# Allegro board FMDEMOD-Long.brd (continued)
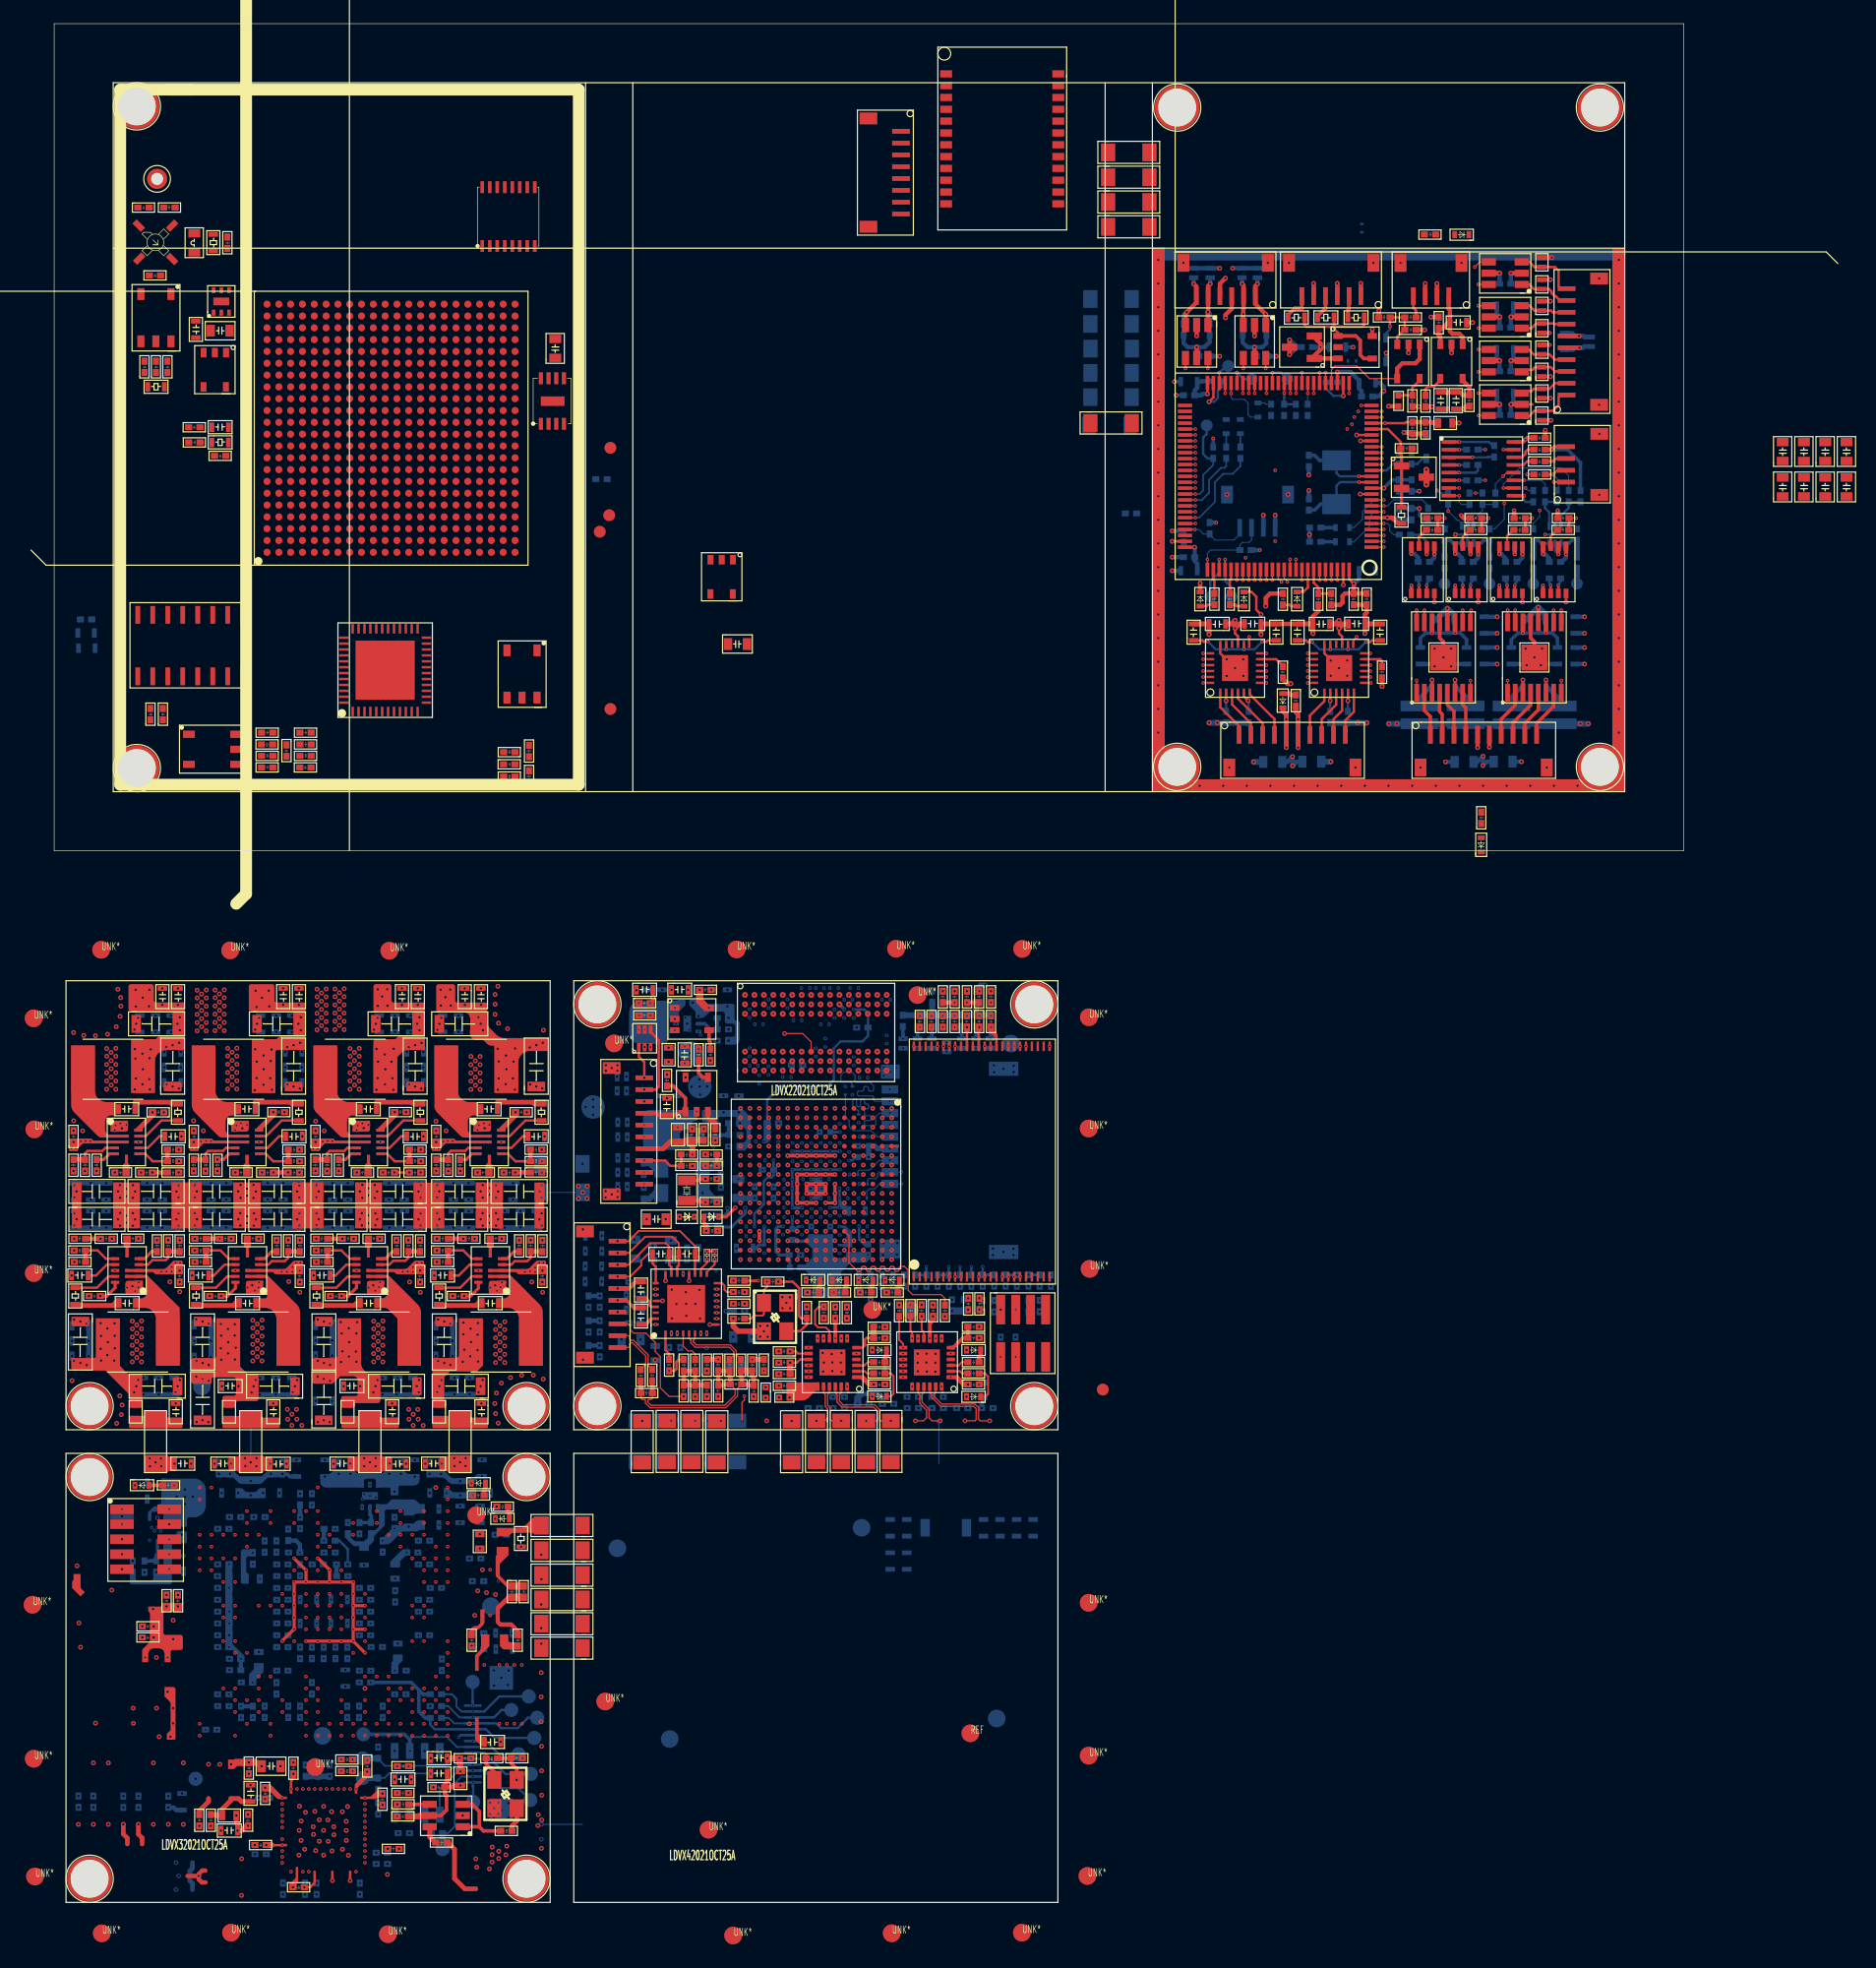
[diagram p0: board, top side]
## Routing (per net, layer and track width the routed paths; a pad name or vN(x,y) marks a point on that pad's centre or on a via; arc(x,y) is an arc through that point) (continued)
M2_I_ADC: length 17.8
  TOP w0.1: C574.1 v1(121.47,28.15) ; U19.17 v1(112.44,33.69)
  TOP w0.2: C574.1 120.89,27.67 120.87,27.65 R342.2
  SIGNAL-L7 w0.1: v1(121.47,28.15) 121.47,27.5 121.37,27.4 118.3,27.4 117.8,26.9 115.8,26.9 114.6,28.1 114.6,32.6 113.51,33.69 v1(112.44,33.69)
M2_PWM+: length 27.7
  TOP w0.1: U26.16 v1(115.38,20.36) ; U19.65 95.76,30.69 v1(96.64,30.69)
  SIGNAL-L7 w0.1: v1(115.38,20.36) 113.84,21.9 107.1,21.9 106.7,22.3 106.7,23.4 105.9,24.2 105.9,25 105.5,25.4 103.5,25.4 102.5,26.4 98.6,26.4 98,27 98,29.9 97.21,30.69 v1(96.64,30.69)
M2_PWM-: length 30.8
  TOP w0.1: U19.36 104.68,39.58 v1(104.68,38.71) ; U26.15 v1(116.03,20.36)
  SIGNAL-L3 w0.1: v1(104.68,38.71) 104.68,37.68 103.4,36.4 103.4,32.66 103.07,32.34 103.07,32.06 103.4,31.74 103.4,28.94 103.02,28.57 103.02,28.08 103.4,27.71 v1(103.4,26.2)
  SIGNAL-L7 w0.1: v1(116.03,20.36) 116.03,20.68 114.31,22.4 111.2,22.4 109.8,23.8 108.6,23.8 106.2,26.2 v1(103.4,26.2)
M3_DRV+: length 4.1
  TOP w0.28: J19.7 122.54,11.14 123.73,12.33 U27.2
M3_DRV-: length 4.2
  TOP w0.28: J19.8 123.54,10.84 125.03,12.33 U27.4
M3_I_ADC: length 22.3
  TOP w0.1: v1(112.44,33.2) 112.3,33.2 112.29,33.19 U19.16 ; C571.1 v1(125.17,28.15)
  TOP w0.2: R341.2 124.57,27.65 124.59,27.67 C571.1
  SIGNAL-L7 w0.1: v1(112.44,33.2) 113.2,33.2 114,32.4 114,27.6 115.5,26.1 124,26.1 125.17,27.27 v1(125.17,28.15)
M3_PWM+: length 39
  TOP w0.1: U27.16 v1(123.08,20.36) ; U19.44 v1(100.67,38.71)
  SIGNAL-L8 w0.1: v1(123.08,20.36) 122.75,20.36 122.61,20.5 122,20.5 121,19.5 114.1,19.5 113,20.6 113,22.5 111.7,23.8 107.5,23.8 106.1,25.2 106.1,26.41 105.91,26.59 105.91,26.91 106.1,27.09 106.1,29.93 105.85,30.18 105.85,30.81 106.1,31.06 106.1,31.2 100.67,36.63 v1(100.67,38.71)
M3_PWM-: length 40.3
  TOP w0.1: v1(123.73,20.36) U27.15 ; v1(101.17,38.71) 101.17,39.59 U19.43
  SIGNAL-L8 w0.1: v1(123.73,20.36) 123.5,20.59 123.5,20.7 123.3,20.9 121.7,20.9 120.9,20.1 120.36,20.1 120.14,19.87 119.86,19.87 119.76,19.97 118.77,19.97 118.6,19.8 114.8,19.8 114,20.6 114,23.2 113,24.2 107.8,24.2 106.6,25.4 106.6,26.5 106.69,26.58 106.69,26.9 106.6,26.98 106.6,30.13 106.65,30.18 106.65,30.81 106.6,30.86 106.6,31.48 106.79,31.67 106.79,32.44 106.25,32.98 104.92,32.98 101.17,36.73 v1(101.17,38.71)
M4_DRV+: length 4.2
  TOP w0.28: J19.10 125.54,10.79 126.98,12.23 U27.7
M4_DRV-: length 4
  TOP w0.28: J19.9 124.54,10.79 125.68,11.93 U27.5
M4_I_ADC: length 26.3
  TOP w0.1: U19.15 v1(112.44,32.69) ; C569.1 v1(128.9,28.15)
  TOP w0.2: R340.2 128.27,27.65 128.29,27.67 C569.1
  SIGNAL-L7 w0.1: v1(112.44,32.69) 113.01,32.69 113.5,32.2 113.5,27.3 115,25.8 127.7,25.8 128.9,27 v1(128.9,28.15)
M4_PWM+: length 44.6
  TOP w0.1: U27.9 v1(127.63,20.36) ; U19.63 v1(96.66,31.69)
  SIGNAL-L7 w0.1: v1(96.66,31.69) 97.79,31.69 98.3,32.2 v1(103.4,32.2)
  SIGNAL-L8 w0.1: v1(127.63,20.36) 127.4,20.13 127.33,20.13 126.2,19 112.5,19 109.8,21.7 105.7,21.7 105.2,22.2 105.2,23.4 104.1,24.5 104.1,25.2 104.9,26 104.9,30.7 v1(103.4,32.2)
M4_PWM-: length 36.7
  TOP w0.1: U19.32 v1(106.67,38.71) ; U27.10 v1(126.98,20.36)
  SIGNAL-L8 w0.1: v1(126.98,20.36) 126.75,20.59 126.75,20.75 125.5,22 118.4,22 116.2,24.2 114.6,24.2 113.7,25.1 109.4,25.1 107.7,26.8 107.7,35 106.2,36.5 106.2,38.25 v1(106.67,38.71)
MCU_LED1: length 8.1
  TOP w0.1: U19.70 v1(96.64,28.19)
  BOTTOM w0.15: v1(96.64,28.19) 96.96,28.19 98.3,29.52 98.3,31.2 99,31.9 99.8,31.9 100.45,32.55 R144.1
MCU_LED2: length 6
  TOP w0.1: U19.67 v1(96.64,29.69)
  BOTTOM w0.15: v1(96.64,29.69) 97.19,29.69 97.8,30.3 97.8,31.4 98.8,32.4 99.1,32.4 99.25,32.55 R140.1
MCU_LED3: length 2
  TOP w0.2: U19.77 98.16,22.96 98.25,22.87 R150.1
MCU_LED4: length 2.1
  TOP w0.2: R145.1 99.55,22.85 99.66,22.96 U19.80
MCU_RST_CPU: length 1.8
  TOP w0.1: U19.33 v1(106.17,38.71)
  BOTTOM w0.1: R309.1 106.15,38.27 106.17,38.28 v1(106.17,38.71)
MCU_RST_FPGA: length 8.3
  TOP w0.1: U19.66 v1(96.64,30.19)
  BOTTOM w0.15: R328.1 98.15,32.65 97.3,31.8 97.3,30.5 96.99,30.19 v1(96.64,30.19)
  BOTTOM w0.2: TP43.1 97.6,35.27 97.3,34.97 97.3,33.58 97.67,33.21 R328.1
MCU_UART1_RXD: length 0.9
  TOP w0.1: U19.69 v1(96.64,28.69)
MCU_UART1_TXD: length 0.9
  TOP w0.1: U19.68 v1(96.62,29.19)
MCU_UART3_RXD: length 37.4
  TOP w0.1: U19.56 v1(96.64,35.19)
  SIGNAL-L4 w0.1: v1(96.64,35.19) 97.49,35.19 97.6,35.3 108.77,35.3 109.17,35.7 v1(109.5,35.7)
  SIGNAL-L7 w0.1: v1(122.8,29.4) 124,30.6 124,33.6 122.6,35 118.6,35 118.1,34.5 112.8,34.5 111.6,35.7 v1(109.5,35.7)
  BOTTOM w0.1: R331.1 121.98,27.24 122.8,28.06 v1(122.8,29.4)
MCU_UART3_TXD: length 37.9
  TOP w0.1: U19.55 v1(96.64,35.69)
  SIGNAL-L4 w0.1: v1(109.9,36.1) 109.1,36.1 108.69,35.69 v1(96.64,35.69)
  SIGNAL-L7 w0.1: v1(109.9,36.1) 111.7,36.1 113,34.8 117.7,34.8 118.3,35.4 123.2,35.4 125.8,32.8 v1(125.8,28.8)
  BOTTOM w0.1: v1(125.8,28.8) 125.8,28.27 125.25,27.72 R324.1
MCU_UART4_RXD: length 4.2
  TOP w0.1: U19.79 v1(99.16,24.65)
  BOTTOM w0.2: TP47.1 99.7,22.3 99.19,22.81 99.19,24.25 99.16,24.28 v1(99.16,24.65)
MCU_UART4_TXD: length 4.3
  TOP w0.1: U19.78 v1(98.66,24.65)
  BOTTOM w0.2: TP48.1 97.9,22.8 98.66,23.56 v1(98.66,24.65)
MIC1_IN: length 15.6
  TOP w0.1: v11(53.31,-46.19) 52.07,-46.19 51.33,-45.45 51.33,-42.82 50.9,-42.39 50.9,-41.61 50.11,-40.82 49.06,-40.82 48.79,-40.55 48.79,-40.19 48.64,-40.04 J2.8
  SIGNAL-L3 w0.2: v11(49.8,-48.26) 49.8,-46.83 50.44,-46.19 v11(53.31,-46.19)
MIC1P: length 2.8
  TOP w0.1: C107.2 54.28,-42.58 54.04,-42.33 53.68,-42.33 53.27,-41.92 U15.4
MIC2N: length 5.6
  TOP w0.1: U15.5 53.77,-41.27 53.91,-41.42 53.91,-41.65 54.29,-42.02 57.18,-42.02 57.56,-42.4 57.56,-42.69 C108.2
MIC2N_IN: length 4.8
  TOP w0.1: R110.1 50.62,-43.9 50.3,-43.59 50.3,-42.67 49.07,-41.44 48.84,-41.44 48.74,-41.34 48.74,-41.14 48.64,-41.04 J2.9
MIC2N_IN2: length 15.4
  TOP w0.1: R113.1 50.66,-46.33 50.56,-46.43 50.38,-46.43 50.28,-46.53 50.28,-46.67 50.55,-46.94 56.78,-46.94 57.66,-46.06 57.66,-45.56 C111.2
  TOP w0.36: R110.2 50.65,-45.34 50.66,-45.35 R113.1 ; C122.1 R104.2 56.66,-44.01 56.67,-44.02 C108.1 57.19,-44.49 57.26,-44.57 C111.2 56.73,-45.16 56.66,-45.23 C122.1
MIC2P: length 5.6
  TOP w0.1: U15.6 54.27,-41.27 54.12,-41.42 54.12,-41.56 54.38,-41.82 57.27,-41.82 57.76,-42.31 57.76,-42.66 C109.2
MIC2P_IN: length 4.5
  TOP w0.1: R109.2 49.99,-43.59 49.99,-43.59 50.09,-43.49 50.09,-42.76 48.98,-41.64 48.84,-41.64 48.74,-41.74 48.74,-41.94 48.64,-42.04 J2.10
MIC2P_IN2: length 16.1
  TOP w0.1: C111.1 57.86,-45.52 57.86,-46.14 56.87,-47.14 50.46,-47.14 50.08,-46.76 50.08,-46.53 49.98,-46.43 49.8,-46.43 49.7,-46.33 R113.2
  TOP w0.36: C109.1 58.15,-44.49 58.22,-44.56 C111.1 58.74,-45.16 58.81,-45.24 C123.2 59.24,-44.63 59.11,-44.49 R105.1 ; R113.2 49.7,-45.38 49.66,-45.35 R109.1
  TOP w0.5: C109.1 R105.1
MICBIAS: length 2.3
  TOP w0.2: R101.1 52.07,-42.57 51.77,-42.27 U15.1
MSEL0: length 2.7
  SIGNAL-L3 w0.15: v7(23.9,-60.39) 23.9,-59.95 23.32,-59.37 v10(23.32,-58.89)
  BOTTOM w0.38: v7(23.9,-60.39) 23.9,-61.38 R319.2
MSEL1: length 1.7
  SIGNAL-L3 w0.2: v7(22.83,-58.38) 22.82,-58.38 v10(22.32,-57.89)
  BOTTOM w0.36: R307.2 22.84,-57.81 22.83,-57.82 v7(22.83,-58.38)
MSEL2: length 3.5
  SIGNAL-L3 w0.2: v7(20.8,-59.38) 21.38,-59.38 21.88,-58.89 v10(22.32,-58.89)
  BOTTOM w0.36: v7(20.8,-59.38) 20.8,-58.72 20.46,-58.38 R310.1
MSEL3: length 1.8
  SIGNAL-L3 w0.2: v7(20.82,-56.41) 20.82,-56.4 21.32,-55.9 v10(21.32,-55.89)
  BOTTOM w0.36: R294.2 20.82,-55.93 20.82,-55.93 v7(20.82,-56.41)
NAND_ALE: length 27.1
  SIGNAL-L4 w0.1: v17(70.12,-24.2) 70.54,-24.62 76.24,-24.62 76.51,-24.89 76.51,-25.03 76.38,-25.16 76.38,-25.3 76.52,-25.44 76.66,-25.44 77.07,-25.03 77.21,-25.03 77.35,-25.18 77.35,-25.32 76.94,-25.73 76.94,-25.87 77.08,-26.01 77.22,-26.01 77.63,-25.6 77.77,-25.6 77.92,-25.74 77.92,-25.88 77.51,-26.29 77.51,-26.43 77.65,-26.57 77.79,-26.57 78.2,-26.17 78.34,-26.17 78.48,-26.31 78.48,-26.45 78.07,-26.86 78.07,-27 78.21,-27.14 78.36,-27.14 78.76,-26.73 78.91,-26.73 79.05,-26.87 79.05,-27.01 78.64,-27.42 78.64,-27.56 78.78,-27.71 78.92,-27.71 79.33,-27.3 79.47,-27.3 79.61,-27.44 79.61,-27.58 79.48,-27.71 79.48,-27.86 79.73,-28.1 79.73,-36.2 79.96,-36.44 80.41,-36.44 v17(80.8,-36.05)
NAND_CLE: length 27.8
  SIGNAL-L4 w0.1: v17(70.92,-24.2) 77.28,-24.2 80.3,-27.22 80.3,-27.72 80.4,-27.82 80.86,-27.82 80.96,-27.92 80.96,-28.12 80.86,-28.22 80.4,-28.22 80.3,-28.32 80.3,-28.52 80.4,-28.62 80.86,-28.62 80.96,-28.72 80.96,-28.92 80.86,-29.02 80.4,-29.02 80.3,-29.12 80.3,-29.32 80.4,-29.42 80.86,-29.42 80.96,-29.52 80.96,-29.72 80.86,-29.82 80.4,-29.82 80.3,-29.92 80.3,-30.12 80.4,-30.22 80.86,-30.22 80.96,-30.32 80.96,-30.52 80.86,-30.62 80.4,-30.62 80.3,-30.72 80.3,-30.92 80.4,-31.02 80.86,-31.02 80.96,-31.12 80.96,-31.32 80.86,-31.42 80.4,-31.42 80.3,-31.52 80.3,-31.72 80.4,-31.82 80.86,-31.82 80.96,-31.92 80.96,-32.12 80.86,-32.22 80.4,-32.22 80.3,-32.32 80.3,-32.52 80.4,-32.62 80.86,-32.62 80.96,-32.72 80.96,-32.92 80.86,-33.02 80.4,-33.02 80.3,-33.12 80.3,-33.32 80.4,-33.42 80.86,-33.42 80.96,-33.52 80.96,-34.01 80.3,-34.66 v17(80.3,-36.05)
NAND_D0: length 28
  SIGNAL-L3 w0.1: v10(82.3,-16.55) 82.3,-17.29 82.4,-17.39 83.13,-17.39 83.23,-17.49 83.23,-17.69 83.13,-17.79 82.4,-17.79 82.3,-17.89 82.3,-18.09 82.4,-18.19 83.13,-18.19 83.23,-18.29 83.23,-18.49 83.13,-18.59 82.4,-18.59 82.3,-18.69 82.3,-18.89 82.4,-18.99 83.13,-18.99 83.23,-19.09 83.23,-19.29 83.13,-19.39 82.4,-19.39 82.3,-19.49 82.3,-19.69 82.4,-19.79 83.13,-19.79 83.23,-19.89 83.23,-20.09 83.13,-20.19 82.4,-20.19 82.3,-20.29 82.3,-21.2 75.93,-27.57 70.26,-27.57 69.66,-26.98 68.9,-26.98 v10(68.52,-26.6)
NAND_D1: length 28.1
  SIGNAL-L3 w0.1: v10(70.12,-26.6) 70.66,-27.14 74.56,-27.14 75.18,-26.51 75.32,-26.51 75.47,-26.66 75.61,-26.66 75.75,-26.52 75.75,-26.38 75.32,-25.94 75.32,-25.8 75.46,-25.66 75.6,-25.66 76.03,-26.1 76.18,-26.1 76.32,-25.95 76.32,-25.81 75.88,-25.38 75.88,-25.24 76.02,-25.1 76.17,-25.1 76.31,-25.24 76.45,-25.24 77.19,-24.51 77.19,-24.36 77,-24.18 77,-24.04 77.14,-23.89 77.28,-23.89 77.8,-24.41 77.94,-24.41 78.08,-24.27 78.08,-24.13 77.57,-23.61 77.57,-23.47 77.71,-23.33 77.85,-23.33 78.37,-23.84 78.51,-23.84 78.65,-23.7 78.65,-23.56 78.13,-23.05 78.13,-22.9 78.27,-22.76 78.42,-22.76 78.93,-23.28 79.07,-23.28 79.22,-23.14 79.22,-23 78.7,-22.48 78.7,-22.34 78.84,-22.2 78.98,-22.2 79.5,-22.71 79.64,-22.71 79.78,-22.57 79.78,-22.43 79.26,-21.91 79.26,-21.77 79.41,-21.63 79.55,-21.63 79.74,-21.82 79.88,-21.82 81.79,-19.91 81.79,-17.32 81.8,-17.31 v10(81.8,-16.55)
NAND_D2: length 28.6
  SIGNAL-L3 w0.1: v10(81.3,-16.55) 81.3,-18.89 80.35,-19.84 80.2,-19.84 79.68,-19.32 79.54,-19.32 79.4,-19.46 79.4,-19.6 79.92,-20.13 79.92,-20.27 79.78,-20.41 79.64,-20.41 79.12,-19.89 78.97,-19.89 78.83,-20.03 78.83,-20.17 79.36,-20.69 79.36,-20.83 78.61,-21.58 78.47,-21.58 77.4,-20.51 77.26,-20.51 77.11,-20.65 77.11,-20.79 78.18,-21.86 78.18,-22.01 77.96,-22.23 77.82,-22.23 77.43,-21.85 77.29,-21.85 77.15,-21.99 77.15,-22.13 77.53,-22.51 77.53,-22.66 77.1,-23.09 76.96,-23.09 76.62,-22.76 76.48,-22.76 76.34,-22.9 76.34,-23.04 76.67,-23.38 76.67,-23.52 76.53,-23.66 76.39,-23.66 76.06,-23.33 75.92,-23.33 75.78,-23.47 75.78,-23.61 76.11,-23.94 76.11,-24.08 75.87,-24.32 75.72,-24.32 75.46,-24.06 75.32,-24.06 75.18,-24.2 75.18,-24.34 75.44,-24.61 75.44,-24.75 75.3,-24.89 75.16,-24.89 74.89,-24.62 74.75,-24.62 74.61,-24.77 74.61,-24.91 74.88,-25.17 74.88,-25.31 74.73,-25.46 74.59,-25.46 74.33,-25.19 74.19,-25.19 74.04,-25.33 74.04,-25.47 74.31,-25.74 74.31,-25.88 73.59,-26.6 v10(70.92,-26.6)
NAND_D3: length 27.8
  SIGNAL-L3 w0.1: v10(68.52,-25.8) 68.91,-26.19 72.16,-26.19 76.34,-22.01 76.34,-20.26 76.6,-20 78.07,-20 78.17,-19.9 78.17,-19.7 78.07,-19.6 76.44,-19.6 76.34,-19.5 76.34,-19.22 75.94,-18.82 75.94,-18.68 76.08,-18.54 76.22,-18.54 76.62,-18.94 76.76,-18.94 76.9,-18.8 76.9,-18.66 76.5,-18.26 76.5,-18.11 76.64,-17.97 76.78,-17.97 77.18,-18.37 77.33,-18.37 77.51,-18.19 77.74,-18.19 77.84,-18.29 77.84,-18.77 77.94,-18.87 78.14,-18.87 78.24,-18.77 78.24,-18.29 78.34,-18.19 78.54,-18.19 78.64,-18.29 78.64,-18.77 78.74,-18.87 78.94,-18.87 79.04,-18.77 79.04,-18.29 79.14,-18.19 79.34,-18.19 79.44,-18.29 79.44,-18.77 79.54,-18.87 79.74,-18.87 79.84,-18.77 79.84,-18.29 79.94,-18.19 79.95,-18.19 80.8,-17.34 v10(80.8,-16.55)
NAND_D4: length 28.4
  SIGNAL-L7 w0.1: v18(76.3,-16.55) 76.3,-16.88 76.64,-17.21 76.97,-17.21 77.21,-17.46 77.21,-18.23 77.52,-18.55 77.52,-18.88 77.62,-18.98 77.94,-18.98 78.04,-19.08 78.04,-19.28 77.94,-19.38 77.76,-19.38 77.66,-19.48 77.66,-19.68 77.76,-19.78 78.07,-19.78 78.17,-19.88 78.17,-20.08 78.07,-20.18 77.73,-20.18 77.63,-20.28 77.63,-20.48 77.73,-20.58 78.07,-20.58 78.17,-20.68 78.17,-20.88 78.07,-20.98 77.62,-20.98 77.52,-21.08 77.52,-21.28 77.62,-21.38 78.07,-21.38 78.17,-21.48 78.17,-21.68 78.07,-21.78 77.62,-21.78 77.52,-21.88 77.52,-22.08 77.62,-22.18 78.07,-22.18 78.17,-22.28 78.17,-22.48 78.07,-22.58 77.62,-22.58 77.52,-22.68 77.52,-22.88 77.62,-22.98 78.07,-22.98 78.17,-23.08 78.17,-23.28 78.07,-23.38 77.62,-23.38 77.52,-23.48 77.52,-23.68 77.62,-23.78 78.07,-23.78 78.17,-23.88 78.17,-24.08 78.07,-24.18 77.62,-24.18 77.52,-24.28 77.52,-24.94 77.13,-25.33 76.99,-25.33 76.78,-25.13 76.64,-25.13 76.5,-25.27 76.5,-25.41 77.05,-25.96 77.05,-26.1 76.91,-26.24 76.77,-26.24 76.22,-25.69 76.08,-25.69 75.93,-25.83 75.93,-25.97 76.14,-26.18 76.14,-26.32 75.42,-27.03 72.45,-27.03 72.12,-26.69 71.5,-26.69 71.13,-27.07 69.99,-27.07 69.77,-26.85 69.77,-26.85 69.32,-26.4 v18(69.32,-25.8)
NAND_D5: length 28.8
  SIGNAL-L7 w0.1: v18(70.12,-25.8) 70.12,-26.41 70.29,-26.58 71.09,-26.58 71.47,-26.2 74.56,-26.2 75.8,-24.95 75.8,-24.48 75.9,-24.38 76.64,-24.38 76.74,-24.28 76.74,-24.08 76.64,-23.98 75.9,-23.98 75.8,-23.88 75.8,-23.68 75.9,-23.58 76.64,-23.58 76.74,-23.48 76.74,-23.28 76.64,-23.18 75.9,-23.18 75.8,-23.08 75.8,-22.88 75.9,-22.78 76.64,-22.78 76.74,-22.68 76.74,-22.48 76.64,-22.38 75.9,-22.38 75.8,-22.28 75.8,-22.08 75.9,-21.98 76.64,-21.98 76.74,-21.88 76.74,-21.68 76.64,-21.58 75.9,-21.58 75.8,-21.48 75.8,-21.28 75.9,-21.18 76.64,-21.18 76.74,-21.08 76.74,-20.88 76.64,-20.78 75.9,-20.78 75.8,-20.68 75.8,-20.48 75.9,-20.38 76.64,-20.38 76.74,-20.28 76.74,-20.08 76.64,-19.98 75.9,-19.98 75.8,-19.88 75.8,-19.68 75.9,-19.58 76.64,-19.58 76.74,-19.48 76.74,-19.28 76.64,-19.18 75.9,-19.18 75.8,-19.08 75.8,-18.88 75.9,-18.78 76.64,-18.78 76.74,-18.68 76.74,-18.48 76.64,-18.38 75.9,-18.38 75.8,-18.28 75.8,-17.47 76.02,-17.25 76.02,-16.99 75.8,-16.77 v18(75.8,-16.55)
NAND_D6: length 27.6
  SIGNAL-L7 w0.1: v18(70.92,-25.8) 71.15,-25.57 73.01,-25.57 73.68,-24.89 73.68,-24.6 73.78,-24.5 74.64,-24.5 74.74,-24.4 74.74,-24.2 74.64,-24.1 73.78,-24.1 73.68,-24 73.68,-23.8 73.78,-23.7 74.64,-23.7 74.74,-23.6 74.74,-23.4 74.64,-23.3 73.78,-23.3 73.68,-23.2 73.68,-23 73.78,-22.9 74.64,-22.9 74.74,-22.8 74.74,-22.6 74.64,-22.5 73.78,-22.5 73.68,-22.4 73.68,-22.2 73.78,-22.1 74.64,-22.1 74.74,-22 74.74,-21.8 74.64,-21.7 73.78,-21.7 73.68,-21.6 73.68,-21.4 73.78,-21.3 74.64,-21.3 74.74,-21.2 74.74,-21 74.64,-20.9 73.78,-20.9 73.68,-20.8 73.68,-20.6 73.78,-20.5 74.64,-20.5 74.74,-20.4 74.74,-20.2 74.64,-20.1 73.78,-20.1 73.68,-20 73.68,-19.8 73.78,-19.7 74.64,-19.7 74.74,-19.6 74.74,-19.4 74.64,-19.3 73.78,-19.3 73.68,-19.2 73.68,-19 73.78,-18.9 74.64,-18.9 74.74,-18.8 74.74,-18.6 74.64,-18.5 73.78,-18.5 73.68,-18.4 73.68,-18.05 73.95,-17.78 74.66,-17.78 75.12,-17.32 75.12,-17.01 75.3,-16.83 v18(75.3,-16.55)
NAND_D7: length 27.2
  TOP w0.1: U10.A5 v18(71.4,-25)
  SIGNAL-L7 w0.1: v18(71.4,-25) 72.26,-25 73.04,-24.22 73.04,-23.57 72.94,-23.47 71.9,-23.47 71.8,-23.37 71.8,-23.17 71.9,-23.07 72.94,-23.07 73.04,-22.97 73.04,-22.77 72.94,-22.67 71.9,-22.67 71.8,-22.57 71.8,-22.37 71.9,-22.27 72.94,-22.27 73.04,-22.17 73.04,-21.97 72.94,-21.87 71.9,-21.87 71.8,-21.77 71.8,-21.57 71.9,-21.47 72.94,-21.47 73.04,-21.37 73.04,-21.17 72.94,-21.07 71.9,-21.07 71.8,-20.97 71.8,-20.77 71.9,-20.67 72.94,-20.67 73.04,-20.57 73.04,-20.37 72.94,-20.27 71.9,-20.27 71.8,-20.17 71.8,-19.97 71.9,-19.87 72.94,-19.87 73.04,-19.77 73.04,-19.57 72.94,-19.47 71.9,-19.47 71.8,-19.37 71.8,-19.17 71.9,-19.07 72.94,-19.07 73.04,-18.97 73.04,-18.77 72.94,-18.67 71.9,-18.67 71.8,-18.57 71.8,-18.37 71.9,-18.27 72.94,-18.27 73.04,-18.17 73.04,-17.65 73.36,-17.32 74.35,-17.32 74.8,-16.88 v18(74.8,-16.55)
NAND_DQS: length 27.3
  SIGNAL-L3 w0.1: v10(79.3,-16.55) 79.3,-17 78.89,-17.42 76.16,-17.42 74.61,-18.96 74.61,-20.43 75.58,-21.4 75.58,-21.54 75.44,-21.68 75.3,-21.68 74.33,-20.71 74.19,-20.71 74.05,-20.85 74.05,-21 75.01,-21.96 75.01,-22.1 74.87,-22.25 74.73,-22.25 73.76,-21.28 73.62,-21.28 73.48,-21.42 73.48,-21.56 74.45,-22.53 74.45,-22.67 74.31,-22.81 74.16,-22.81 73.2,-21.84 73.06,-21.84 72.92,-21.99 72.92,-22.13 73.88,-23.09 73.88,-23.24 71.7,-25.42 68.11,-25.42 v10(67.72,-25.8)
NAND_NCE0: length 29.5
  SIGNAL-L4 w0.1: v17(69.32,-25) 69.72,-25.4 69.72,-25.93 69.98,-26.19 73.83,-26.19 74.27,-26.63 74.41,-26.63 74.91,-26.13 75.05,-26.13 75.19,-26.27 75.19,-26.42 74.69,-26.91 74.69,-27.06 74.84,-27.2 74.98,-27.2 75.48,-26.7 75.62,-26.7 75.76,-26.84 75.76,-26.98 75.26,-27.48 75.26,-27.62 75.4,-27.76 75.54,-27.76 76.04,-27.26 76.18,-27.26 76.32,-27.41 76.32,-27.55 75.83,-28.05 75.83,-28.19 75.97,-28.33 76.11,-28.33 76.61,-27.83 76.75,-27.83 76.89,-27.97 76.89,-28.11 76.39,-28.61 76.39,-28.75 76.8,-29.16 76.8,-29.52 76.9,-29.62 77.52,-29.62 77.62,-29.72 77.62,-29.92 77.52,-30.02 76.9,-30.02 76.8,-30.12 76.8,-30.32 76.9,-30.42 77.52,-30.42 77.62,-30.52 77.62,-30.72 77.52,-30.82 76.9,-30.82 76.8,-30.92 76.8,-33.65 76.9,-33.75 77.38,-33.75 77.48,-33.85 77.48,-34.05 77.38,-34.15 76.9,-34.15 76.8,-34.25 76.8,-34.45 76.9,-34.55 77.38,-34.55 77.48,-34.65 77.48,-34.88 76.8,-35.56 v18(76.8,-36.05)
  SIGNAL-L7 w0.1: v19(77.03,-37.98) 77.03,-36.61 76.8,-36.38 v18(76.8,-36.05)
NAND_NRDY: length 29.5
  SIGNAL-L4 w0.1: v18(75.8,-36.05) 75.8,-36.43 75.98,-36.61 77.1,-36.61 78.08,-35.63 78.08,-33.33 78.18,-33.23 78.88,-33.23 78.98,-33.13 78.98,-32.93 78.88,-32.83 78.18,-32.83 78.08,-32.73 78.08,-32.53 78.18,-32.43 78.88,-32.43 78.98,-32.33 78.98,-32.13 78.88,-32.03 78.18,-32.03 78.08,-31.93 78.08,-31.73 78.18,-31.63 78.88,-31.63 78.98,-31.53 78.98,-31.33 78.88,-31.23 78.18,-31.23 78.08,-31.13 78.08,-28.17 75.35,-25.44 70.39,-25.44 69.77,-24.82 69.77,-23.96 69.98,-23.75 70.56,-23.75 v17(70.92,-23.4)
  SIGNAL-L7 w0.1: v18(75.8,-36.05) 76.32,-36.57 76.32,-37.24 76.03,-37.53 v21(76.03,-37.99)
NAND_NRE: length 27.7
  SIGNAL-L4 w0.1: v17(68.52,-27.4) 68.96,-26.96 72.22,-26.96 72.45,-27.18 72.59,-27.18 73.15,-26.62 73.29,-26.62 73.43,-26.76 73.43,-26.9 72.87,-27.46 72.87,-27.6 73.01,-27.74 73.15,-27.74 73.71,-27.19 73.85,-27.19 74,-27.33 74,-27.47 73.44,-28.03 73.44,-28.17 73.72,-28.46 73.86,-28.46 74.21,-28.11 74.35,-28.11 74.49,-28.25 74.49,-28.39 74.15,-28.74 74.15,-28.88 74.29,-29.02 74.43,-29.02 74.77,-28.68 74.92,-28.68 75.06,-28.82 75.06,-28.96 74.71,-29.3 74.71,-29.45 75.08,-29.81 75.22,-29.81 75.71,-29.33 75.85,-29.33 75.99,-29.47 75.99,-29.61 75.5,-30.1 75.5,-30.24 76.3,-31.03 76.3,-31.7 76.2,-31.8 75.57,-31.8 75.47,-31.9 75.47,-32.1 75.57,-32.2 76.2,-32.2 76.3,-32.3 76.3,-32.5 76.2,-32.6 75.57,-32.6 75.47,-32.7 75.47,-32.9 75.57,-33 76.2,-33 76.3,-33.1 76.3,-33.3 76.2,-33.4 75.57,-33.4 75.47,-33.5 75.47,-33.7 75.57,-33.8 76.2,-33.8 76.3,-33.9 76.3,-34.1 76.2,-34.2 75.57,-34.2 75.47,-34.3 75.47,-34.5 75.57,-34.6 76.2,-34.6 76.3,-34.7 v17(76.3,-36.05)
NAND_NWE: length 27.9
  SIGNAL-L4 w0.1: v17(81.3,-36.05) 81.3,-36.88 80.77,-37.41 77.75,-37.41 77.65,-37.31 77.65,-37.14 77.55,-37.04 77.35,-37.04 77.25,-37.14 77.25,-37.31 77.15,-37.41 76.95,-37.41 76.85,-37.31 76.85,-37.14 76.75,-37.04 76.55,-37.04 76.45,-37.14 76.45,-37.31 76.35,-37.41 75.92,-37.41 75.91,-37.4 75.77,-37.4 74.99,-36.62 74.99,-35.98 75.1,-35.87 75.1,-35.58 75.05,-35.53 74.94,-35.53 74.88,-35.47 74.88,-35.18 74.94,-35.13 75.05,-35.13 75.1,-35.07 75.1,-34.78 75.05,-34.73 74.94,-34.73 74.88,-34.67 74.88,-34.38 74.94,-34.33 75.05,-34.33 75.1,-34.27 75.1,-33.98 75.05,-33.93 74.94,-33.93 74.88,-33.87 74.88,-33.58 74.94,-33.53 75.05,-33.53 75.1,-33.47 75.1,-33.18 75.05,-33.13 74.94,-33.13 74.81,-33 74.81,-32.86 74.99,-32.67 74.99,-31.47 75.09,-31.37 75.72,-31.37 75.82,-31.27 75.82,-31.07 75.72,-30.97 75.09,-30.97 74.99,-30.87 74.99,-30.34 74.71,-30.05 74.56,-30.05 74.32,-30.3 74.18,-30.3 74.04,-30.16 74.04,-30.01 74.28,-29.77 74.28,-29.63 74.14,-29.49 74,-29.49 73.76,-29.73 73.61,-29.73 73.47,-29.59 73.47,-29.45 73.72,-29.21 73.72,-29.06 73.57,-28.92 73.43,-28.92 73.19,-29.17 73.05,-29.17 72.91,-29.02 72.91,-28.88 73.15,-28.64 73.15,-28.5 73.01,-28.36 72.87,-28.36 72.62,-28.6 72.48,-28.6 72.34,-28.46 72.34,-28.32 72.58,-28.07 72.58,-27.93 72.38,-27.73 69.65,-27.73 v17(69.32,-27.4)
NAND_NWP: length 26.6
  SIGNAL-L4 w0.1: 81.54,-37.62 81.8,-37.36 v17(81.8,-36.05) ; 81.54,-37.62 81.42,-37.74 79.42,-37.74 78.89,-38.28 78.13,-38.28 78.12,-38.29 75.83,-38.29 74.39,-36.85 74.39,-31.15 71.86,-28.61 69.55,-28.61 68.79,-27.84 68.13,-27.84 67.95,-27.67 67.95,-27.16 68.52,-26.6 v17(68.52,-25) ; 81.54,-37.62 v20(81.54,-38.06)
NCE: length 26.7
  SIGNAL-L4 w0.1: v20(35.45,-76.84) 35.12,-76.84 34.64,-77.32 32.02,-77.32 31.23,-76.54 31.23,-74.15 29.67,-72.59 22.62,-72.59 v17(22.32,-72.89)
  BOTTOM w0.15: R357.1 27.44,-76.86 28.02,-77.44 33.08,-77.44 33.67,-76.84 v20(35.45,-76.84)
  BOTTOM w0.5: R357.1 26.9,-76.81 26.9,-76.81 TP20.1
NCONFIG: length 36.3
  SIGNAL-L8 w0.1: v9(35.45,-77.34) 36.08,-77.34 36.93,-76.5 36.93,-71.21 34.38,-68.66 21.32,-68.66 20.72,-69.26 20.72,-70.29 v15(21.32,-70.89)
  BOTTOM w0.15: v9(35.45,-77.34) 33.98,-77.34 33.24,-78.08 28.36,-78.08 27.97,-78.47 R362.1
  BOTTOM w0.5: TP22.1 26.91,-78.48 26.91,-78.47 R362.1
NCSO: length 32.3
  SIGNAL-L8 w0.1: v15(16.32,-73.89) 16.58,-74.15 19.01,-74.15 21.19,-76.33 27.68,-76.33 29.19,-77.84 v9(35.45,-77.84)
  BOTTOM w0.15: U49.1 32.65,-79.45 34.25,-77.84 v9(35.45,-77.84)
  BOTTOM w0.2: v9(35.45,-77.84) 36.4,-77.84 37.89,-79.33 39.31,-79.33 TP24.1
Net_10: length 0.8
  PWR-L6 w0.3: 55.73,-74.63 55.73,-75.45
Net_12: length 2.5
  PWR-L6 w0.3: 77.3,-74.1 77.3,-75.44 77.78,-75.92 77.78,-76.41
NFAULT12: length 28.5
  TOP w0.1: v1(119.93,14.41) U26.8 ; U19.7 v1(112.6,28.69)
  SIGNAL-L3 w0.1: v1(119.93,14.41) 120.8,15.28 120.8,20.2 121,20.4 121,22 120.8,22.2 120.8,24.83 120.94,24.97 120.94,25.26 120.8,25.4 120.8,26.3 120.4,26.7 119.25,26.7 118.9,26.35 118.88,26.35 118.86,26.32 118.54,26.32 118.17,26.7 115.3,26.7 114.23,27.77 114.13,27.77 113.21,28.69 v1(112.6,28.69)
  BOTTOM w0.1: v1(112.6,28.69) 111.79,28.69 111.4,28.3 111.4,27.47 110.08,26.15 D20.1
NFAULT34: length 34.6
  TOP w0.1: U19.9 v1(112.6,29.69) ; U27.8 v1(127.63,14.41)
  SIGNAL-L3 w0.1: v1(112.6,29.69) 113.61,29.69 115.8,27.5 118.64,27.5 118.66,27.53 119.24,27.53 119.26,27.5 120.9,27.5 121.9,26.5 121.9,21.1 121.72,20.92 121.72,18.59 121.7,18.57 121.7,18.23 121.72,18.21 121.72,15.08 121.97,14.83 127.2,14.83 v1(127.63,14.41)
  BOTTOM w0.1: D21.1 110.08,27.35 110.8,28.07 110.8,28.7 111.79,29.69 v1(112.6,29.69)
NRST_CPU: length 29
  TOP w0.3: R21.1 v22(56.12,-26.67)
  SIGNAL-L3 w0.1: v18(60.52,-27.4) 59.96,-27.96 59.96,-29.52 59.35,-30.12 59.35,-34.89 59.09,-35.15 59.09,-41.6 60.76,-43.26 60.76,-46.69 61.15,-47.09 61.97,-47.09 62.45,-47.57 v11(62.45,-48.26)
  SIGNAL-L7 w0.1: v22(56.12,-26.67) 56.85,-26.67 57.15,-26.97 60.09,-26.97 v18(60.52,-27.4)
NRST_MCU: length 5.1
  TOP w0.2: v1(112.44,32.19) U19.14
  BOTTOM w0.2: v1(112.44,32.19) 112.83,32.19 113.37,32.73 C504.2 R323.2 115.43,32.73 115.9,33.2 D40.2
NSLEEP12: length 18.7
  TOP w0.1: v1(112.6,27.7) 112.59,27.69 U19.5 ; U26.1 v1(115.38,14.41)
  SIGNAL-L3 w0.1: v1(115.38,14.41) 115.38,15.22 114.4,16.2 114.4,26.23 112.93,27.7 v1(112.6,27.7)
  BOTTOM w0.1: v1(112.6,27.7) 112.93,27.7 113.1,27.53 113.1,27.08 113.43,26.75 R180.1
NSLEEP34: length 29.9
  TOP w0.1: U19.8 v1(112.6,29.19) ; v1(123.08,14.41) U27.1
  SIGNAL-L3 w0.1: v1(123.08,14.41) 121.79,14.41 121.3,14.9 121.3,26.4 120.6,27.1 118.83,27.1 118.76,27.18 118.44,27.18 118.37,27.1 115.4,27.1 113.31,29.19 v1(112.6,29.19)
  BOTTOM w0.1: v1(112.6,29.19) 112.93,29.19 113.44,29.7 115.86,29.7 116.35,29.21 R182.1
NSTATUS: length 0.7
  SIGNAL-L8 w0.1: v15(21.32,-69.89) 21.55,-70.12 21.55,-70.13 v9(21.82,-70.41)
NVCC_CSI: length 1.4
  PWR-L6 w0.3: v4(66.52,-23.81) 66.91,-24.2 v3(66.92,-24.2)
  BOTTOM w0.2: v4(66.52,-23.81) 66.16,-23.81 66.15,-23.8 L23.2
NVCC_ENET: length 0.6
  PWR-L6 w0.2: v3(66.92,-31.4) 66.52,-31.8 v4(66.52,-31.81)
NVCC_GPIO: length 1.1
  PWR-L6 w0.2: v4(64.12,-31.01) 64.13,-31.01 v3(64.52,-31.4) 64.12,-31.8 v4(64.11,-31.8)
NVCC_LCD: length 0.6
  PWR-L6 w0.2: v4(68.16,-31.8) 67.76,-31.4 v3(67.72,-31.4)
NVCC_NAND: length 1.4
  PWR-L6 w0.26: v4(67.32,-26.2) 67.32,-26.2 v3(67.72,-26.6)
  BOTTOM w0.2: L25.2 67.86,-25.92 67.58,-26.2 v4(67.32,-26.2)
NVCC_SD: length 1.9
  PWR-L6 w0.3: v4(68.07,-24.98) 68.07,-24.5 68.37,-24.2 v4(68.89,-24.2) v3(69.32,-24.2)
NVCC_UART: length 1.1
  PWR-L6 w0.2: v4(65.72,-31.8) 65.72,-31.8 v3(65.32,-31.4) 64.93,-31.01 v4(64.92,-31.01)
ODT0: length 13.9
  SIGNAL-L3 w0.1: v10(65.7,-18.6) 66.03,-18.92 66.03,-20.03 64.94,-21.11 64.94,-22.81 64.74,-23.01 64.25,-23.01 64.11,-23.16 64.11,-25.13 63.83,-25.41 62,-25.41 61.7,-25.11 61.7,-22.18 v10(61.32,-21.8)
